# Altium PCB ProbadorManillaresCrio.PcbDoc (part 2 of 2)
Units mil, origin at the board's own origin, x right, y up, seen from the top; angles counter-clockwise.
Board outline 4000 x 4000 mil, 2 copper layers (Top Layer, Bottom Layer), stack 62.192 mil thick; 144 components, 133 nets, 504 pads, 204 vias.
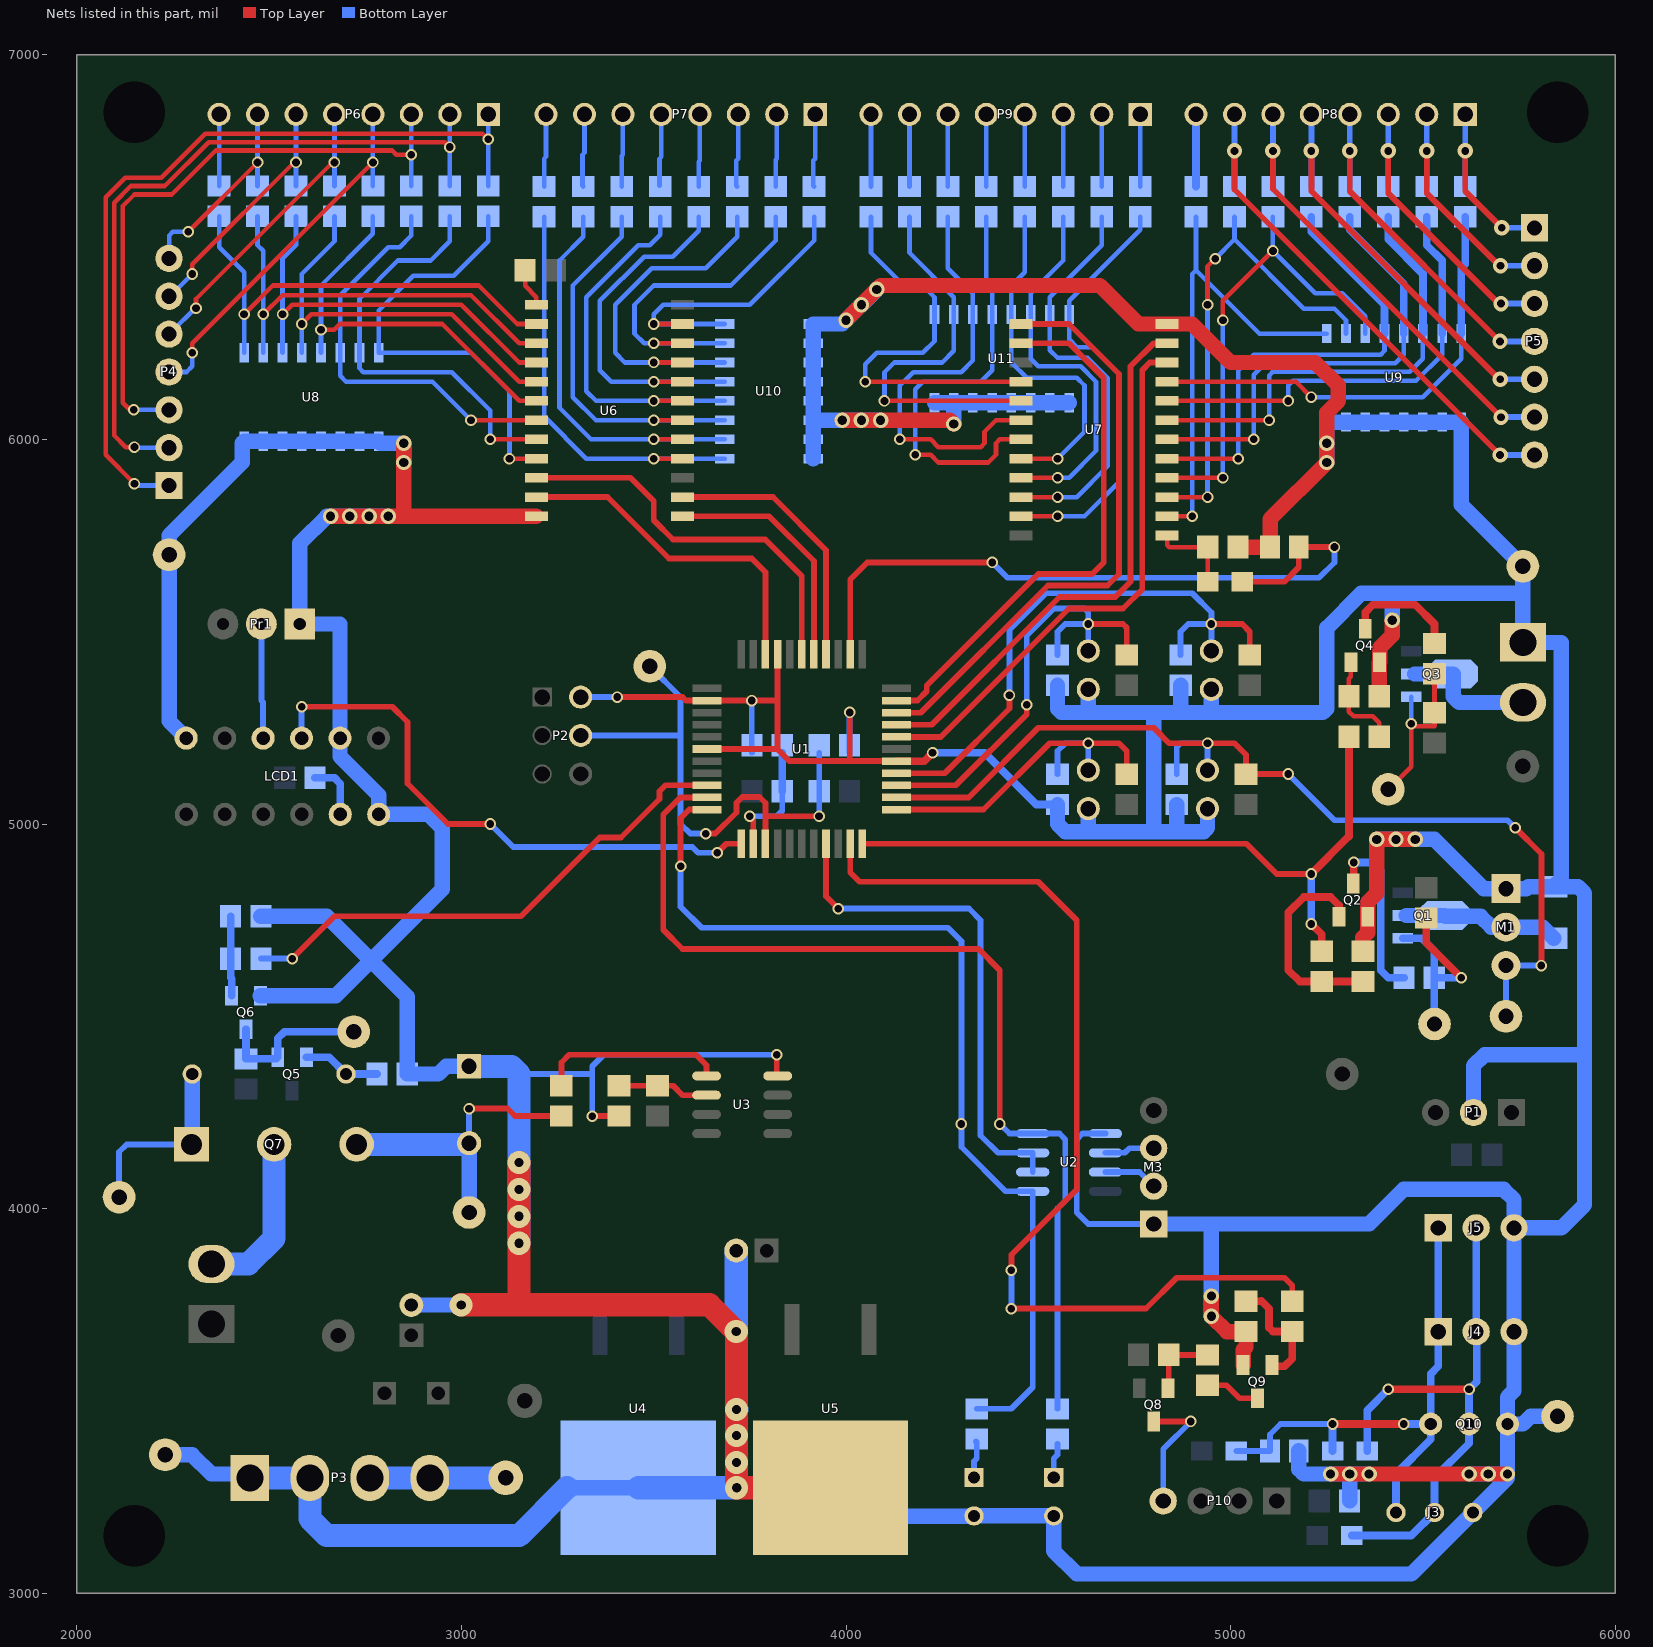
[diagram p2: the nets of this part, all layers, seen from the top]

## Via types
v1: diameter 30, hole 20, Top Layer to Bottom Layer, 139 vias
v2: diameter 40, hole 24, Top Layer to Bottom Layer, 41 vias
v3: diameter 40, hole 20, Top Layer to Bottom Layer, 14 vias
v4: diameter 60, hole 24, Top Layer to Bottom Layer, 10 vias

## Nets (pads, with @x,y where several pads share a name; then routed paths per layer and width w, separated by ;. In a path a pad name is that pad's centre, name@x,y a point inside that pad or via, vN(x,y) a via of type N, cw(c..) or ccw(c..) an arc to the next point about the centre after c; other vN are vias at no path point) (continued)
GND: C1.1 C2.1 C3.2 C4.2 C5.1 C6.1 C7.1 C8.1 C9.1 C10.2 D1.1 DL1.2 DL2.2 J3.1 J4.3 J5.3 LCD1.1 LCD1.5 LCD1.16 M1.1 M2.1 M3.1 P1.2 P2.2 P3.1 P3.2 Pr1.1 Pul1.2 Pul2.2 Pul3.2 Pul4.2 Q2.2 Q4.2 Q6.2 Q9.2 Q10.1 R9.1 R14.1 R19.2 R21.2 R22.1 R24.2 R33.2 R68.2 R69.1 TP10.1 TP11.1 TP12.1 TP13.1 U1.16 U1.30 U1.35 U1.39 U2.5 U3.4 U4.2 U5.2 U6.GND U7.GND U8.A1 U8.A2 U8.A3 U8.A4 U8.A5 U8.A6 U8.A7 U8.A8 U9.A1 U9.A2 U9.A3 U9.A4 U9.A5 U9.A6 U9.A7 U9.A8 U10.A1 U10.A2 U10.A3 U10.A4 U10.A5 U10.A6 U10.A7 U10.A8 U11.A1 U11.A2 U11.A3 U11.A4 U11.A5 U11.A6 U11.A7 U11.A8 | length 29223.9
  Top Layer w15: v1(3340,4240) 3350,4240 3350.63,4240.63 R19.2@3410,4240.63 ; v1(3405,5330) 3575,5330 3584.02,5320.98 U1.35@3638.94,5320.98 v1(3755,5320.98) 3820.98,5320.98 ; U1.39@3638.94,5195 3822.01,5195 U1.30@3822.01,5441.06 ; v1(3820,4400) 3820,4347.52 U3.4@3822.52,4345 ; 3820.98,5195 3852.48,5163.5 4010,5163.5 ; v1(4010,5290) 4010,5163.5 ; U1.16@4131.06,5163.5 4010,5163.5
  Top Layer w20: U1.16@4131.06,5163.5 4203.5,5163.5 v1(4225,5185)
  Top Layer w40: v2(2660,5800) 2850,5800 ; v2(2850,5990) 2850,5800 ; v4(2999.37,3749.37) v4@3000,3750 ; U6.GND@3195,5800 2850,5800 ; v2(3990,6050) 4270,6050 v2(4280,6040) ; v2(4000,6310) 4090,6400 4660,6400 4760,6300 U7.GND@4835,6300 4900,6300 5000,6200 5220,6200 5280,6140 5280,6100 5250,6070 v2(5250,5990) v2(5250,5940) 5102.6,5792.6 C10.2@5102.6,5720 R24.2@5019.37,5720 ; v2(4950,3772.5) v2(4950,3720) 4990,3680 5039.37,3680 R68.2@5040,3680.63 5040,3640 5032.6,3632.6 Q9.2@5032.6,3593.31 ; v2(5260,3310) v2(5310,3310) v2(5360,3310) v2(5620,3310) v2(5670,3310) v2(5720,3310) ; R9.1@5344,4669.37 5344,4705 5356.4,4717.4 Q2.2@5356.4,4758.69 5356.4,4796.4 5380,4820 v2(5380,4960) v2(5480,4960) ; R14.1@5386.37,5332 5386.37,5419.66 Q4.2@5387.4,5420.69 5387.4,5457.4 5420,5490 v2(5420,5530)
  Top Layer w60: v4@3000,3750 3150,3750 ; v4(3150,4120) 3150,3750 ; v4(3715,3340) v4@3715,3275 ; U5.2@3960,3274.29 v4(3715.71,3274.29) v4@3715,3275 ; 3150,3750 3645,3750 v4(3714.63,3680.37) 3715,3680 v4(3715,3477.5) v4(3715,3410) v4@3715,3275
  Bottom Layer w15: 3150,4350 3340,4350 ; P2.2@3310,5330 v1(3405,5330) ; v1(3340,4240) 3340,4350 ; v1(3755,5320.98) 3755,5185.63 C1.1@3755.63,5185 ; v1(3820,4400) 3370,4400 3340,4370 3340,4350 ; C2.1@4009.37,5185 4009.37,5289.37 v1(4010,5290) ; U2.5@4674.49,4195 4615,4195 4600,4180 4600,3990 4630,3960 M3.1@4800,3960
  Bottom Layer w20: v1(4225,5185) 4360,5185 4494.37,5050.63 C6.1@4550,5050.63
  Bottom Layer w40: TP13.1@2230,3360 2300,3360 2350,3310 2440,3310 P3.1@2450,3300 ; LCD1.1@2284.47,5223.35 2240,5267.82 TP12.1@2240,5700 2240,5750 2430,5940 2430,5990 U8.A8@2435,5995 U8.A7@2485,5995 U8.A6@2535,5995 U8.A5@2585,5995 U8.A4@2635,5995 U8.A3@2685,5995 U8.A2@2735,5995 U8.A1@2785,5995 2790,5990 v2(2850,5990) v2(2850,5940) ; Q6.2@2477.4,4553.31 2673.31,4553.31 2950,4830 2950,4990 2915,5025 LCD1.16@2785,5025 2785,5075 2684.47,5175.53 LCD1.5@2684.47,5223.35 2684.47,5520 Pr1.1@2580,5520 2580,5730 2650,5800 v2(2810,5800) ; R69.1@2478.74,4760 2650,4760 2859.37,4550.63 R21.2@2859.37,4350 2940,4350 2960,4370 R22.1@3020,4370 ; C3.2@2870,3749.37 v4(2999.37,3749.37) ; U4.2@3274.29,3274.29 U4.2@3460,3274.29 ; v4(3715.71,3274.29) 3935.71,3274.29 4010,3200 DL2.2@4333,3200 ; U10.A8@3915,5950 U10.A7@3915,6000 U10.A6@3915,6050 ; v2(4080,6390) 3990,6300 U10.A1@3915,6300 U10.A2@3915,6250 U10.A3@3915,6200 U10.A4@3915,6150 U10.A5@3915,6100 U10.A6@3915,6050 ; v2(4090,6050) U10.A6@3915,6050 ; U11.A8@4230,6095 U11.A7@4280,6095 ; v2(4280,6040) U11.A7@4280,6095 ; DL2.2@4333,3201 DL1.2@4540,3201 4540,3110 4600,3050 5470,3050 J3.1@5630,3210 5720,3300 v2(5720,3310) ; C6.1@4550,5050.63 4550,5000 4570,4980 4630,4980 ; C5.1@4550,5360.63 4550,5300 4560,5290 4630,5290 ; U11.A1@4580,6095 U11.A2@4530,6095 U11.A3@4480,6095 U11.A4@4430,6095 U11.A5@4380,6095 U11.A6@4330,6095 U11.A7@4280,6095 ; Pul2.2@4630,5040 4630,4980 ; Pul1.2@4630,5350 4630,5290 ; M3.1@4800,3960 4950,3960 ; C8.1@4860,5050.63 4860,4980 ; C7.1@4870,5360.63 4870,5290 ; Pul4.2@4940,5040 4940,4990 4930,4980 4860,4980 ; v2(4950,3720) 4950,3960 ; Pul3.2@4950,5350 4950,5290 ; C9.1@5177.4,3370 5177.4,3322.6 5190,3310 v2(5310,3310) ; v2(5250,5940) U9.A8@5250,6045 U9.A7@5300,6045 U9.A6@5350,6045 U9.A5@5400,6045 U9.A4@5450,6045 U9.A3@5500,6045 U9.A2@5550,6045 U9.A1@5600,6045 5600,5830 TP11.1@5760,5670 M2.1@5760,5472 5860,5472 5860,4856.93 D1.1@5840,4836.93 ; R33.2@5309.37,3240 5309.37,3309.37 v2(5310,3310) ; v2(5360,3310) v2(5310,3310) ; v2(5380,4960) 5530,4960 5658,4832 M1.1@5716,4832 5769,4832 5773.93,4836.93 D1.1@5840,4836.93 ; v2(5420,5530) 5420,5600 ; v2(5620,3310) v2(5720,3310) ; P1.2@5631.57,4250 5631.57,4371.57 5660,4400 5920,4400 ; 5750,5600 5340,5600 5250,5510 5250,5300 5240,5290 4950,5290 ; TP10.1@5850,3460 5780,3460 5760,3440 Q10.1@5720,3440 ; 4630,4980 4800,4980 ; 4630,5290 4800,5290 ; 4800,4980 4800,5290 ; 4800,4980 4860,4980 ; 4800,5290 4870,5290 ; 4870,5290 4950,5290 ; 4950,3960 5360,3960 5450,4050 5710,4050 5736.85,4023.15 J5.3@5736.85,3950 ; v2(5720,3310) Q10.1@5720,3440 ; Q10.1@5720,3440 5720,3510 5736.85,3526.85 J4.3@5736.85,3680 J5.3@5736.85,3950 ; J5.3@5736.85,3950 5860,3950 5920,4010 5920,4820 5903.07,4836.93 D1.1@5840,4836.93
  Bottom Layer w60: P3.1@2450,3300 P3.2@2606,3300 2606,3194 2650,3150 3150,3150 U4.2@3274.29,3274.29 ; R22.1@3020,4370 3130,4370 3150,4350 v4(3150,3910) ; U4.2@3460,3274.29 v4(3715.71,3274.29) 3715.71,3477.21 v4@3716,3477.5 ; v4(3714.63,3680.37) C4.2@3714.63,3891
  other v2: 5430,4960 2710,5800 2760,5800 4040,6050 4040,6350
  other v4: 3150,3980 3150,4050
HABILITAR_BOMBA_COOLER: R7.2 R13.2 U1.11 | length 1809.5
  Top Layer w15: U1.11@4042.48,4948.94 5041.06,4948.94 5120,4870 v1(5210,4870)
  Top Layer w20: v1(5210,4740) 5237,4713 R7.2@5237,4669.37 ; v1(5210,4870) 5307.63,4967.63 R13.2@5307.63,5227
  Bottom Layer w20: v1(5210,4740) v1(5210,4870)
HABILITAR_LEDS_MANILLAR: R27.2 U1.10 | length 2607.8
  Top Layer w15: U1.10@4010.98,4948.94 4010.98,4874.02 4035,4850 4500,4850 4600,4750 4600,4050 4430,3880 v1(4430,3840) ; v1(4430,3740) 4780,3740 4860,3820 5140,3820 5160,3800 R27.2@5160,3759.37
  Bottom Layer w15: v1(4430,3740) v1(4430,3840)
HABILITAR_PELTIER: R18.2 U1.42 | length 1358.5
  Top Layer w15: v1(2560,4650) 2670,4760 3155,4760 3360,4965 3415,4965 3515,5065 3515,5085 3530.51,5100.51 U1.42@3638.94,5100.51
  Bottom Layer w15: R18.2@2478.74,4650 v1(2560,4650)
NetC1_2: C1.2 R5.2 U1.2 | length 315.7
  Top Layer w15: v1(3750,5020) 3759.02,5010.98 U1.2@3759.02,4948.94
  Bottom Layer w15: v1(3750,5020) 3820,5020 3834.37,5034.37 R5.2@3834.37,5085
  Bottom Layer w20: R5.2@3834.37,5085 C1.2@3834.37,5185
NetC2_2: C2.2 P2.4 R11.2 TP6.1 U1.3 | length 1408.9
  Top Layer w15: v1(3635,4975) 3660,4975 3715,5030 3715,5055 3730,5070 3775,5070 3790.51,5054.49 U1.3@3790.51,4948.94 ; 3790.51,5020 v1(3930,5020)
  Bottom Layer w15: P2.4@3310,5230 3570,5230 ; TP6.1@3490,5410 3570,5330 3570,5230 ; v1(3635,4975) 3595,4975 3570,5000 3570,5230 ; v1(3930,5020) 3925,5025 3930.63,5030.63 R11.2@3930.63,5085 C2.2@3930.63,5185
NetC9_2: C9.2 J3.3 J4.1 J5.1 Q10.3 R30.1 R66.1 | length 1414.5
  Top Layer w20: v1(5265,3440) v1(5450,3440)
  Bottom Layer w15: R30.1@5015,3370 C9.2@5102.6,3370 5102.6,3412.6 5130,3440 v1(5265,3440)
  Bottom Layer w20: R66.1@5265,3370 v1(5265,3440) ; J3.3@5430,3210 5430,3310 5520,3400 Q10.3@5520,3440 ; v1(5450,3440) Q10.3@5520,3440 ; J5.1@5540,3950 J4.1@5540,3680 5540,3590 5520,3570 Q10.3@5520,3440
NetD1_2: D1.2 M1.2 Q1.0 Q1.2 | length 408.2
  Bottom Layer w40: Q1.2@5456.23,4762 Q1.0@5556.63,4762 ; Q1.0@5556.63,4762 5558.63,4760 5650,4760 5678,4732 M1.2@5716,4732 5811.07,4732 D1.2@5840,4703.07
NetDL1_1: DL1.1 R1.1 | length 91.8
  Bottom Layer w15: DL1.1@4540,3301 4540,3350 4550,3360 R1.1@4550,3388.63
NetDL2_1: DL2.1 R4.1 | length 97.4
  Bottom Layer w15: DL2.1@4333,3301 4333,3343 4340,3350 4340,3392.63 R4.1@4338,3394.63
NetJ3_2: J3.2 J4.2 J5.2 Q10.2 R66.2 R67.2 | length 1418.9
  Top Layer w20: v1(5410,3530) v1(5620,3530)
  Bottom Layer w20: R67.2@5315,3150 5470,3150 J3.2@5530,3210 5530,3300 5620,3390 Q10.2@5620,3440 v1(5620,3530) 5640,3550 5640,3678.43 J4.2@5638.43,3680 J5.2@5638.43,3950 ; R66.2@5355,3370 5355,3475 v1(5410,3530)
NetLCD1_3: LCD1.3 Pr1.2 | length 298.5
  Bottom Layer w15: Pr1.2@2480,5520 2480,5321 2484.47,5316.53 LCD1.3@2484.47,5223.35
NetLCD1_15: LCD1.15 R8.2 | length 151.8
  Bottom Layer w20: R8.2@2619.37,5120 2670,5120 2685,5105 LCD1.15@2685,5025
NetM2_2: M2.2 Q3.0 Q3.2 | length 346.8
  Bottom Layer w40: Q3.2@5478.23,5390 Q3.0@5578.63,5390 ; Q3.0@5578.63,5390 5578.63,5331.37 5594,5316 M2.2@5760,5316
NetM3_2: M3.2 U2.7 | length 140.7
  Bottom Layer w15: U2.7@4674.49,4095 4763.43,4095 M3.2@4800,4058.43
NetM3_3: M3.3 U2.6 | length 130.4
  Bottom Layer w15: U2.6@4674.49,4145 4725,4145 4736.85,4156.85 M3.3@4800,4156.85
NetM4_2: M4.2 Q7.2 | length 434.8
  Bottom Layer w60: M4.2@2350,3856 2446,3856 2513,3923 Q7.2@2513,4167
NetP3_3: P3.3 P3.4 Polyswitch.2 | length 353
  Bottom Layer w60: P3.3@2762,3300 P3.4@2918,3300 Polyswitch.2@3115,3300
NetQ1_1: Q1.1 R2.2 R6.2 TP2.1 | length 550
  Top Layer w20: R2.2@5509,4755.63 5509,4691 v1(5600,4600)
  Bottom Layer w20: Q1.1@5447.37,4702.94 5497.06,4702.94 5529.37,4670.63 R6.2@5529.37,4600 ; TP2.1@5529.37,4480 R6.2@5529.37,4600 ; v1(5600,4600) R6.2@5529.37,4600
NetQ2_1: Q2.1 R7.1 R9.2 | length 543
  Top Layer w20: Q2.1@5281.6,4758.69 5281.6,4788.4 5260,4810 5190,4810 5150,4770 5150,4620 5179.37,4590.63 R7.1@5237,4590.63 R9.2@5344,4590.63
NetQ2_3: Q2.3 R6.1 | length 462.3
  Top Layer w20: Q2.3@5319,4845.31 5320,4846.31 v1(5320,4900)
  Bottom Layer w20: v1(5320,4900) 5370,4900 5390,4880 5390,4620 5410,4600 R6.1@5450.63,4600
NetQ3_1: Q3.1 R10.2 R12.1 TP5.1 | length 469.4
  Top Layer w12: TP5.1@5410,5090 5469.37,5149.37 v1(5469.37,5260.63) 5475.81,5254.19 5530,5254.19 R10.2@5530,5289.37 5530,5380.63 R12.1@5540,5390.63
  Bottom Layer w12: v1(5469.37,5260.63) Q3.1@5469.37,5330.94
NetQ4_1: Q4.1 R13.1 R14.2 | length 257.7
  Top Layer w12: Q4.1@5312.6,5420.69 5312.6,5382.6 5307.63,5377.63 R14.2@5307.63,5332 5307.63,5292.37 5320,5280 5370,5280 5386.37,5263.63 R13.1@5386.37,5227
NetQ4_3: Q4.3 R12.2 | length 306.5
  Top Layer w20: Q4.3@5350,5507.31 5350,5550 5370,5570 5480,5570 5530,5520 5530,5479.37 R12.2@5540,5469.37
NetQ5_1: Q5.1 Q6.3 R15.2 TP7.1 | length 427.9
  Bottom Layer w20: Q6.3@2440,4466.69 R15.2@2440,4389.37 2518.66,4389.37 Q5.1@2522.6,4393.31 2522.6,4442.6 2540,4460 2690,4460 TP7.1@2720,4490
NetQ5_2: Q5.2 R17.2 R21.1 | length 201.2
  Bottom Layer w20: Q5.2@2597.4,4393.31 2656.69,4393.31 R17.2@2700,4350 R21.1@2780.63,4350
NetQ6_1: Q6.1 R18.1 R69.2 | length 207.8
  Bottom Layer w20: R69.2@2400,4760 R18.1@2400,4650 2400,4600 2402.6,4597.4 Q6.1@2402.6,4553.31
NetQ7_1: Q7.1 R17.1 TP8.1 | length 497.4
  Bottom Layer w15: TP8.1@2110,4030 2110,4147 2130,4167 Q7.1@2298.43,4167
  Bottom Layer w40: Q7.1@2298.43,4167 2300,4168.57 R17.1@2300,4350
NetQ8_1: Q8.1 R25.2 R26.1 | length 188.4
  Top Layer w15: Q8.1@4837.4,3533.31 4839.37,3535.28 R25.2@4839.37,3620 4840,3619.37 R26.1@4940,3619.37
NetQ9_1: Q9.1 R27.1 R68.1 | length 315.3
  Top Layer w20: R68.1@5040,3759.37 5079.37,3759.37 5080,3760 5100,3740 5100,3690 5109.37,3680.63 R27.1@5160,3680.63 5160,3610 5140,3590 5110.71,3590 Q9.1@5107.4,3593.31
NetQ9_3: Q9.3 R26.2 | length 144.1
  Top Layer w15: R26.2@4940,3540.63 4989.37,3540.63 5023.31,3506.69 Q9.3@5070,3506.69
NetR16_2: R16.2 U3.5 | length 485.3
  Top Layer w15: R16.2@3260,4319.37 3260,4380 3280,4400 3610,4400 3637.48,4372.52 U3.5@3637.48,4345
NetR19_1: R19.1 R20.1 U3.6 | length 237.6
  Top Layer w15: R19.1@3410,4319.37 R20.1@3510,4319.37 3550.63,4319.37 3575,4295 U3.6@3637.48,4295
NetR23_2: R23.2 U6.In-Out | length 102.2
  Top Layer w12: R23.2@3165.63,6440 3165.63,6399.37 3195,6370 U6.In-Out@3195,6350
NetR24_1: R24.1 R70.1 U7.In-Out | length 223
  Top Layer w12: U7.In-Out@4835,5750 4835,5725 4840,5720 R24.1@4940.63,5720 4940.63,5630.63 R70.1@4940,5630
PERNOS_CONTINUIDAD: C10.1 R70.2 U1.24 | length 1853.4
  Top Layer w15: U1.24@4010.98,5441.06 4010.98,5635.98 4055,5680 v1(4380,5680) ; R70.2@5030,5630 5140,5630 5177.4,5667.4 C10.1@5177.4,5720 v1(5270,5720)
  Bottom Layer w15: v1(4380,5680) 4420,5640 5230,5640 5270,5680 v1(5270,5720)
PIN_1_PERNOS: R49.2 U7.I0 U9.K1 | length 1195.8
  Top Layer w12: U7.I0@4835,6150 5170,6150 v1(5210,6110)
  Bottom Layer w12: v1(5210,6110) 5500,6110 5600,6210 U9.K1@5600,6275
  Bottom Layer w20: U9.K1@5600,6275 5600,6445 5610,6455 R49.2@5610,6578.63
PIN_1_PERNOS_ENTRADA: P5.1 P8.1 R49.1 | length 512
  Top Layer w15: v3(5610,6750) 5610,6645 v3(5705,6550)
  Bottom Layer w15: R49.1@5610,6657.37 v3(5610,6750) P8.1@5610,6845 ; v3(5705,6550) P5.1@5790,6550
PIN_1_PLACA: R34.2 U6.I0 U8.K1 | length 1161
  Top Layer w12: v1(3125,5950) U6.I0@3195,5950
  Bottom Layer w12: R34.2@3070,6580 3070,6515 2980,6425 2875,6425 2785,6335 U8.K1@2785,6225 3025,6225 3125,6125 v1(3125,5950)
PIN_1_PLACA_ENTRADA: P4.1 P6.1 R34.1 | length 2124
  Top Layer w12: v1(2150,5885) 2075,5960 2075,6630 2125.68,6680.68 2220.13,6680.68 2334.45,6795 3055,6795 v1(3070,6780)
  Bottom Layer w12: v1(2150,5885) 2155,5880 P4.1@2240,5880 ; R34.1@3070,6658.74 v1(3070,6780) P6.1@3070,6845
PIN_2_PERNOS: R47.2 U7.I1 U9.K2 | length 1163.3
  Top Layer w12: U7.I1@4835,6100 v1(5150,6100)
  Bottom Layer w12: v1(5150,6100) 5150,6140 5162,6152 5482,6152 5550,6220 U9.K2@5550,6275
  Bottom Layer w20: R47.2@5510,6578.63 5510,6505 5550,6465 U9.K2@5550,6275
PIN_2_PERNOS_ENTRADA: P5.2 P8.2 R47.1 | length 657
  Top Layer w15: v3(5510,6750) 5510,6640 5700,6450 v3(5701.57,6451.57)
  Bottom Layer w15: R47.1@5510,6657.37 v3(5510,6750) P8.2@5510,6845 ; v3(5701.57,6451.57) P5.2@5790,6451.57
PIN_2_PLACA: R36.2 U6.I1 U8.K2 | length 1122.7
  Top Layer w12: v1(3075,6000) U6.I1@3195,6000
  Bottom Layer w12: R36.2@2970,6580 2970,6515 2920,6465 2835,6465 2735,6365 U8.K2@2735,6225 2735,6185 2745,6175 2975,6175 3075,6075 v1(3075,6000)
PIN_2_PLACA_ENTRADA: P4.2 P6.2 R36.1 | length 1891.6
  Top Layer w12: v1(2150,5980) 2127,5980 2097,6010 2097,6615.68 2140,6658.68 2229.25,6658.68 2343.56,6773 2957,6773 v1(2970,6760)
  Bottom Layer w12: v1(2150,5980) 2151.57,5978.43 P4.2@2240,5978.43 ; R36.1@2970,6658.74 v1(2970,6760) P6.2@2970,6845
PIN_3_PERNOS: R45.2 U7.I2 U9.K3 | length 1205.1
  Top Layer w12: U7.I2@4835,6050 v1(5100,6050)
  Bottom Layer w12: v1(5100,6050) 5100,6166 5110,6176 5466,6176 5500,6210 U9.K3@5500,6275
  Bottom Layer w20: R45.2@5410,6578.63 5410,6520 5500,6430 U9.K3@5500,6275
PIN_3_PERNOS_ENTRADA: P5.3 P8.3 R45.1 | length 799.1
  Top Layer w15: v3(5410,6750) 5410,6640 5700,6350 v3(5703.15,6353.15)
  Bottom Layer w15: R45.1@5410,6657.37 v3(5410,6750) P8.3@5410,6845 ; v3(5703.15,6353.15) P5.3@5790,6353.15
PIN_3_PLACA: R38.2 U6.I2 U8.K3 | length 1066.8
  Top Layer w12: v1(3025,6050) U6.I2@3195,6050
  Bottom Layer w12: R38.2@2870,6580 2870,6530 2840,6500 2810,6500 2685,6375 U8.K3@2685,6225 2685,6165 2700,6150 2925,6150 v1(3025,6050)
PIN_3_PLACA_ENTRADA: P4.3 P6.3 R38.1 | length 1639.8
  Top Layer w12: v1(2148.15,6076.85) 2138.15,6076.85 2120,6095 2120,6606.68 2150,6636.68 2246.68,6636.68 2361,6751 2820,6751 2831,6740 v1(2870,6740)
  Bottom Layer w12: v1(2148.15,6076.85) P4.3@2240,6076.85 ; R38.1@2870,6658.74 v1(2870,6740) P6.3@2870,6845
PIN_4_PERNOS: R43.2 U7.I3 U9.K4 | length 1221.2
  Top Layer w12: U7.I3@4835,6000 v1(5060,6000)
  Bottom Layer w12: v1(5060,6000) 5060,6168 5090,6198 5428,6198 5450,6220 U9.K4@5450,6275
  Bottom Layer w20: R43.2@5310,6578.63 5310,6545 5450,6405 U9.K4@5450,6275
PIN_4_PERNOS_ENTRADA: P5.4 P8.4 R43.1 | length 934.3
  Top Layer w15: v3(5310,6750) 5310,6645 v3(5700.28,6254.72)
  Bottom Layer w15: R43.1@5310,6657.37 v3(5310,6750) P8.4@5310,6845 ; v3(5700.28,6254.72) P5.4@5790,6254.72
PIN_4_PLACA: R40.2 U6.I3 U8.K4 | length 1060
  Top Layer w12: v1(2635,6285) 2669,6285 2684,6300 2950,6300 3150,6100 U6.I3@3195,6100
  Bottom Layer w12: U8.K4@2635,6225 2635,6400 2770,6535 R40.2@2770,6580
PIN_4_PLACA_ENTRADA: P4.4 P6.4 R40.1 | length 977
  Top Layer w12: v1(2300,6225) 2300,6250 v1(2770,6720)
  Bottom Layer w12: P4.4@2240,6175.28 2285.28,6175.28 2300,6190 v1(2300,6225) ; R40.1@2770,6658.74 v1(2770,6720) P6.4@2770,6845
PIN_5_PERNOS: R41.2 U7.I4 U9.K5 | length 1243
  Top Layer w12: U7.I4@4835,5950 v1(5020,5950)
  Bottom Layer w12: v1(5020,5950) 5020,6180 5060,6220 5390,6220 5400,6230 U9.K5@5400,6275
  Bottom Layer w20: R41.2@5210,6578.63 5210,6540 5400,6350 U9.K5@5400,6275
PIN_5_PERNOS_ENTRADA: P5.5 P8.5 R41.1 | length 1076.1
  Top Layer w15: v3(5210,6750) 5210,6645 5700,6155 v3(5701.3,6156.3)
  Bottom Layer w15: R41.1@5210,6657.37 v3(5210,6750) P8.5@5210,6845 ; v3(5701.3,6156.3) P5.5@5790,6156.3
PIN_5_PLACA: R42.2 U6.I4 U8.K5 | length 1083.1
  Top Layer w12: v1(2585,6300) 2610,6325 2975,6325 3150,6150 U6.I4@3195,6150
  Bottom Layer w12: U8.K5@2585,6225 v1(2585,6300) 2585,6430 2670,6515 R42.2@2670,6580
PIN_5_PLACA_ENTRADA: P4.5 P6.5 R42.1 | length 835
  Top Layer w12: v1(2310,6341.25) 2310,6365 2670,6725 v1(2670,6720)
  Bottom Layer w12: P4.5@2225,6278.7 2245,6278.7 2307.55,6341.25 v1(2310,6341.25) ; R42.1@2670,6658.74 v1(2670,6720) P6.5@2670,6845
PIN_6_PERNOS: R39.2 U7.I5 U9.K6 | length 1232.9
  Top Layer w12: U7.I5@4835,5900 v1(4980,5900) ; v1(4980,6310) 4980,6360 v1(5110,6490)
  Bottom Layer w12: v1(4980,5900) v1(4980,6310) ; R39.2@5110,6578.63 v1(5110,6490) 5220,6380 5290,6380 5350,6320 U9.K6@5350,6275
PIN_6_PERNOS_ENTRADA: P5.6 P8.6 R39.1 | length 1212.5
  Top Layer w15: v3(5110,6750) 5110,6650.75 v3(5702.87,6057.87)
  Bottom Layer w15: R39.1@5110,6657.37 v3(5110,6750) P8.6@5110,6845 ; v3(5702.87,6057.87) P5.6@5790,6057.87
PIN_6_PLACA: R44.2 U6.I5 U8.K6 | length 1102
  Top Layer w12: v1(2535,6325) 2560,6350 3000,6350 3150,6200 U6.I5@3195,6200
  Bottom Layer w12: U8.K6@2535,6225 v1(2535,6325) 2535,6470 2570,6505 R44.2@2570,6580
PIN_6_PLACA_ENTRADA: P4.6 P6.6 R44.1 | length 696.8
  Top Layer w12: v1(2300,6430) 2300,6455 2570,6725 v1(2570,6720)
  Bottom Layer w12: P4.6@2225,6377.13 2227.13,6375 2245,6375 v1(2300,6430) ; R44.1@2570,6658.74 v1(2570,6720) P6.6@2570,6845
PIN_7_PERNOS: R37.2 U7.I6 U9.K7 | length 1274.6
  Top Layer w12: U7.I6@4835,5850 v1(4940,5850) ; v1(4940,6350) 4940,6450 v1(4960,6470)
  Bottom Layer w12: v1(4940,5850) v1(4940,6350) ; v1(4960,6470) 5010,6520 ; R37.2@5010,6578.63 5010,6520 ; U9.K7@5300,6275 5300,6310 5270,6340 5190,6340 5010,6520
PIN_7_PERNOS_ENTRADA: P5.7 P8.7 R37.1 | length 1353.7
  Top Layer w15: v3(5010,6750) 5010,6650 v3(5700.55,5959.45)
  Bottom Layer w15: R37.1@5010,6657.37 v3(5010,6750) P8.7@5010,6845 ; v3(5700.55,5959.45) P5.7@5790,5959.45
PIN_7_PLACA: R46.2 U6.I6 U8.K7 | length 1143.7
  Top Layer w12: v1(2485,6325) 2535,6375 3025,6375 3150,6250 U6.I6@3195,6250
  Bottom Layer w12: R46.2@2470,6580 2470,6505 2485,6490 v1(2485,6325) U8.K7@2485,6225
PIN_7_PLACA_ENTRADA: P4.7 P6.7 R46.1 | length 555.6
  Top Layer w12: v1(2290,6540) v1(2470,6720)
  Bottom Layer w12: P4.7@2225,6475.55 2240,6490.55 2240,6530 2250,6540 v1(2290,6540) ; R46.1@2470,6658.74 v1(2470,6720) P6.7@2470,6845
PIN_8_PERNOS: R35.2 U7.I7 U9.K8 | length 1326.1
  Top Layer w12: U7.I7@4835,5800 v1(4900,5800)
  Bottom Layer w12: v1(4900,5800) 4900,6430 4910,6440 ; 4910,6510 4910,6440 ; R35.2@4910,6578.63 4910,6440 ; U9.K8@5250,6275 5075,6275 4910,6440
PIN_8_PERNOS_ENTRADA: P8.8 R35.1 | length 187.6
  Bottom Layer w20: R35.1@4910,6657.37 P8.8@4910,6845
PIN_8_PLACA: R48.2 U6.I7 U8.K8 | length 1214.4
  Top Layer w12: v1(2435,6325) 2510,6400 3045,6400 3145,6300 U6.I7@3195,6300
  Bottom Layer w12: R48.2@2370,6580 2370,6500 2435,6435 v1(2435,6325) U8.K8@2435,6225
PIN_8_PLACA_ENTRADA: P6.8 R48.1 | length 186.3
  Bottom Layer w12: R48.1@2370,6658.74 P6.8@2370,6845
PIN_9_PERNOS: R65.1 U7.I8 U11.K1 | length 1134.8
  Top Layer w12: U7.I8@4455,5800 v1(4550,5800)
  Bottom Layer w12: v1(4550,5800) 4620,5800 4710,5890 4710,6170 4640,6240 4600,6240 4580,6260 U11.K1@4580,6325 4580,6360 4765,6545 R65.1@4765,6578.63
PIN_9_PERNOS_ENTRADA: P9.1 R65.2 | length 187.6
  Bottom Layer w12: R65.2@4765,6657.37 P9.1@4765,6845
PIN_9_PLACA: R64.1 U6.I8 U10.K1 | length 843.2
  Top Layer w12: v1(3500,6300) U6.I8@3575,6300
  Bottom Layer w12: U10.K1@3685,6300 v1(3500,6300) 3500,6325 3525,6350 3750,6350 3917,6517 R64.1@3917,6578.63
PIN_9_PLACA_ENTRADA: P7.1 R64.2 | length 190.5
  Bottom Layer w12: R64.2@3917,6657.37 3915,6659.37 3915,6725 3920,6730 P7.1@3920,6845
PIN_10_PERNOS: R63.1 U7.I9 U11.K2 | length 1070.5
  Top Layer w12: U7.I9@4455,5850 v1(4550,5850)
  Bottom Layer w12: v1(4550,5850) 4600,5850 4680,5930 4680,6160 4628,6212 4550,6212 4530,6232 U11.K2@4530,6325 4530,6370 4665,6505 R63.1@4665,6578.63
PIN_10_PERNOS_ENTRADA: P9.2 R63.2 | length 187.6
  Bottom Layer w12: R63.2@4665,6657.37 P9.2@4665,6845
PIN_10_PLACA: R62.1 U6.I9 U10.K2 | length 893.2
  Top Layer w12: v1(3500,6250) U6.I9@3575,6250
  Bottom Layer w12: U10.K2@3685,6250 v1(3500,6250) 3475,6250 3450,6275 3450,6350 3500,6400 3700,6400 3817,6517 R62.1@3817,6578.63
PIN_10_PLACA_ENTRADA: P7.2 R62.2 | length 188.9
  Bottom Layer w12: R62.2@3817,6657.37 3817,6727 3820,6730 P7.2@3820,6845
PIN_11_PERNOS: R61.1 U7.I10 U11.K3 | length 1002.7
  Top Layer w12: U7.I10@4455,5900 v1(4550,5900)
  Bottom Layer w12: v1(4550,5900) 4580,5900 4650,5970 4650,6150 4610,6190 4500,6190 4480,6210 U11.K3@4480,6325 4480,6380 4565,6465 R61.1@4565,6578.63
PIN_11_PERNOS_ENTRADA: P9.3 R61.2 | length 187.6
  Bottom Layer w12: R61.2@4565,6657.37 P9.3@4565,6845
PIN_11_PLACA: R60.1 U6.I10 U10.K3 | length 937.3
  Top Layer w12: v1(3500,6200) U6.I10@3575,6200
  Bottom Layer w12: U10.K3@3685,6200 v1(3500,6200) 3425,6200 3400,6225 3400,6350 3495,6445 3635,6445 3717,6527 R60.1@3717,6578.63
PIN_11_PLACA_ENTRADA: P7.3 R60.2 | length 190.5
  Bottom Layer w12: R60.2@3717,6657.37 3715,6659.37 3715,6725 3720,6730 P7.3@3720,6845
PIN_12_PERNOS: R59.1 U7.I11 U11.K4 | length 922
  Top Layer w12: U7.I11@4455,5950 v1(4550,5950)
  Bottom Layer w12: R59.1@4465,6578.63 4465,6435 4430,6400 U11.K4@4430,6325 4430,6200 4470,6160 4600,6160 4620,6140 4620,6020 v1(4550,5950)
PIN_12_PERNOS_ENTRADA: P9.4 R59.2 | length 187.6
  Bottom Layer w12: R59.2@4465,6657.37 P9.4@4465,6845
PIN_12_PLACA: R58.1 U6.I11 U10.K4 | length 961.4
  Top Layer w12: v1(3500,6150) U6.I11@3575,6150
  Bottom Layer w12: R58.1@3617,6578.63 3617,6542 3550,6475 3475,6475 3360,6360 3360,6180 3390,6150 v1(3500,6150) U10.K4@3685,6150
PIN_12_PLACA_ENTRADA: P7.4 R58.2 | length 188.9
  Bottom Layer w12: R58.2@3617,6657.37 3617,6722 3620,6725 P7.4@3620,6845
PIN_13_PERNOS: R57.1 U7.I12 U11.K5 | length 1121.3
  Top Layer w12: v1(4180,5960) 4220,5960 4240,5940 4370,5940 4390,5960 4390,5990 4400,6000 U7.I12@4455,6000
  Bottom Layer w12: v1(4180,5960) 4180,6130 4200,6150 4350,6150 4380,6180 U11.K5@4380,6325 4380,6400 4365,6415 R57.1@4365,6578.63
PIN_13_PERNOS_ENTRADA: P9.5 R57.2 | length 187.6
  Bottom Layer w12: R57.2@4365,6657.37 P9.5@4365,6845
PIN_13_PLACA: R56.1 U6.I12 U10.K5 | length 996.1
  Top Layer w12: v1(3500,6100) U6.I12@3575,6100
  Bottom Layer w12: R56.1@3517,6578.63 3517,6532 3490,6505 3460,6505 3325,6370 3325,6125 3350,6100 v1(3500,6100) U10.K5@3685,6100
PIN_13_PLACA_ENTRADA: P7.5 R56.2 | length 187.7
  Bottom Layer w12: R56.2@3515,6659.37 3515,6730 3520,6735 P7.5@3520,6845
PIN_14_PERNOS: R55.1 U7.I13 U11.K6 | length 1127.3
  Top Layer w12: v1(4140,6000) 4220,6000 4240,5980 4350,5980 4360,5990 4360,6020 4390,6050 U7.I13@4455,6050
  Bottom Layer w12: v1(4140,6000) 4140,6140 4175,6175 4300,6175 4330,6205 U11.K6@4330,6325 4330,6380 4265,6445 R55.1@4265,6578.63
PIN_14_PERNOS_ENTRADA: P9.6 R55.2 | length 187.6
  Bottom Layer w12: R55.2@4265,6657.37 P9.6@4265,6845
PIN_14_PLACA: R54.1 U6.I13 U10.K6 | length 1016.1
  Top Layer w12: v1(3500,6050) U6.I13@3575,6050
  Bottom Layer w12: R54.1@3417,6578.63 3417,6527 3290,6400 3290,6110 3350,6050 v1(3500,6050) U10.K6@3685,6050
PIN_14_PLACA_ENTRADA: P7.6 R54.2 | length 188.9
  Bottom Layer w12: R54.2@3417,6657.37 3417,6737 3420,6740 P7.6@3420,6845
PIN_15_PERNOS: R53.1 U7.I14 U11.K7 | length 1029
  Top Layer w12: v1(4100,6100) U7.I14@4455,6100
  Bottom Layer w12: v1(4100,6100) 4100,6175 4125,6200 4250,6200 4280,6230 U11.K7@4280,6325 4280,6370 4165,6485 R53.1@4165,6578.63
PIN_15_PERNOS_ENTRADA: P9.7 R53.2 | length 187.6
  Bottom Layer w12: R53.2@4165,6657.37 P9.7@4165,6845
PIN_15_PLACA: R52.1 U6.I14 U10.K7 | length 1061.3
  Top Layer w12: v1(3500,6000) U6.I14@3575,6000
  Bottom Layer w12: R52.1@3317,6578.63 3317,6527 3255,6465 3255,6082 3337,6000 v1(3500,6000) U10.K7@3685,6000
PIN_15_PLACA_ENTRADA: P7.7 R52.2 | length 190.5
  Bottom Layer w12: R52.2@3317,6657.37 3315,6659.37 3315,6740 3320,6745 P7.7@3320,6845
PIN_16_PERNOS: R51.1 U7.I15 U11.K8 | length 1076.1
  Top Layer w12: v1(4050,6150) U7.I15@4455,6150
  Bottom Layer w12: v1(4050,6150) 4050,6195 4080,6225 4200,6225 4230,6255 U11.K8@4230,6325 4230,6370 4210,6390 4160,6390 4065,6485 R51.1@4065,6578.63
PIN_16_PERNOS_ENTRADA: P9.8 R51.2 | length 187.6
  Bottom Layer w12: R51.2@4065,6657.37 P9.8@4065,6845
PIN_16_PLACA: R50.1 U6.I15 U10.K8 | length 1109.2
  Top Layer w12: v1(3500,5950) U6.I15@3575,5950
  Bottom Layer w12: R50.1@3215,6578.63 3215,6060 3325,5950 v1(3500,5950) U10.K8@3685,5950
PIN_16_PLACA_ENTRADA: P7.8 R50.2 | length 189.7
  Bottom Layer w12: R50.2@3215,6657.37 3215,6730 3220,6735 P7.8@3220,6845
PTE: U1.8 U2.2 U2.3 | length 1328.8
  Top Layer w15: U1.8@3947.99,4948.94 3947.99,4812.01 v1(3980,4780)
  Bottom Layer w15: v1(3980,4780) 4320,4780 4350,4750 4350,4190 4395,4145 U2.3@4485.51,4145 U2.2@4485.51,4095
PUL_1: C5.2 Pul1.1 R28.2 U1.14 | length 1237.2
  Top Layer w15: U1.14@4131.06,5100.51 4285.51,5100.51 4470,5285 v1(4470,5310) ; v1(4630,5520) 4720,5520 4730,5510 R28.2@4730,5439.37
  Bottom Layer w15: v1(4470,5310) 4470,5490 4540,5560 4620,5560 4630,5550 v1(4630,5520) ; C5.2@4550,5439.37 4550,5500 4570,5520 v1(4630,5520) ; Pul1.1@4630,5450 v1(4630,5520)
PUL_2: C6.2 Pul2.1 R29.2 U1.12 | length 958.2
  Top Layer w15: U1.12@4131.06,5037.52 4357.52,5037.52 4530,5210 v1(4630,5210) 4710,5210 4730,5190 R29.2@4730,5129.37
  Bottom Layer w15: C6.2@4550,5129.37 4550,5190 4570,5210 v1(4630,5210) Pul2.1@4630,5140
PUL_3: C7.2 Pul3.1 R31.2 U1.15 | length 1571.4
  Top Layer w15: U1.15@4131.06,5132.01 4257.01,5132.01 4425,5300 v1(4425,5335) ; v1(4950,5520) 5030,5520 5050,5500 R31.2@5050,5439.37
  Bottom Layer w15: v1(4425,5335) 4425,5505 4520,5600 4900,5600 4950,5550 v1(4950,5520) ; C7.2@4870,5439.37 4870,5500 4890,5520 v1(4950,5520) ; Pul3.1@4950,5450 v1(4950,5520)
PUL_4: C8.2 M1.3 Pul4.1 R32.2 TP1.1 U1.13 | length 2656.7
  Top Layer w15: U1.13@4131.06,5069.02 4319.02,5069.02 4500,5250 4800,5250 4840,5210 v1(4940,5210) 5010,5210 5040,5180 R32.2@5040,5129.37 5040.63,5130 v1(5150,5130) ; v1(5740,4990) 5808,4922 v1(5808,4632)
  Bottom Layer w15: C8.2@4860,5129.37 4860,5200 4870,5210 v1(4940,5210) Pul4.1@4940,5140 ; v1(5150,5130) 5270,5010 5720,5010 v1(5740,4990) ; TP1.1@5716,4500 M1.3@5716,4632 v1(5808,4632)
RS: LCD1.4 U1.1 | length 1485.4
  Top Layer w15: v1(2585,5305) 2820,5305 2860,5265 2860,5105 2965,5000 v1(3075,5000) ; v1(3665,4925) 3688.94,4948.94 U1.1@3727.52,4948.94
  Bottom Layer w15: LCD1.4@2584.47,5223.35 2584.47,5304.47 v1(2585,5305) ; v1(3075,5000) 3135,4940 3600,4940 3615,4925 v1(3665,4925)
RSH_PELTIER: Q7.3 R16.1 R22.3 TP14.1 | length 811.7
  Top Layer w15: v1(3020,4260) 3120,4260 3139.37,4240.63 R16.1@3260,4240.63
  Bottom Layer w15: R22.3@3020,4170 v1(3020,4260)
  Bottom Layer w40: R22.3@3017,4167 R22.3@3020,4170 TP14.1@3020,3990
  Bottom Layer w60: Q7.3@2727.57,4167 R22.3@3017,4167
RX: R4.2 U1.44 U2.1 | length 2521.9
  Top Layer w15: v1(3570,4890) 3570,5015 3592.52,5037.52 U1.44@3638.94,5037.52
  Bottom Layer w15: v1(3570,4890) 3570,4785 3625,4730 4265,4730 4300,4695 v1(4300,4220) 4300,4160 4415,4045 U2.1@4485.51,4045 4485.51,3535.51 4429.37,3479.37 R4.2@4340,3479.37
S0_PERNOS: U1.18 U7.S0 | length 1441.1
  Top Layer w15: U1.18@4131.06,5226.5 4246.5,5226.5 4580,5560 4720,5560 4770,5610 4770,6180 4790,6200 U7.S0@4835,6200
S0_PLACA: U1.28 U6.S0 | length 1028.9
  Top Layer w15: U6.S0@3195,5900 3440,5900 3500,5840 3500,5790 3550,5740 3790,5740 3885,5645 U1.28@3885,5441.06
S1_PERNOS: U1.19 U7.S1 | length 1442.9
  Top Layer w15: U1.19@4131.06,5257.99 4222.99,5257.99 4555,5590 4700,5590 4740,5630 4740,6190 4800,6250 U7.S1@4835,6250
S1_PLACA: U1.31 U6.S1 | length 889.9
  Top Layer w15: U6.S1@3195,5850 3380,5850 3540,5690 3755,5690 3790.51,5654.49 U1.31@3790.51,5441.06
S2_PERNOS: U1.21 U7.S2 | length 1428.7
  Top Layer w15: U1.21@4131.06,5320.98 4185.98,5320.98 4210,5345 4210,5360 4500,5650 4640,5650 4670,5680 4670,6160 4580,6250 U7.S2@4455,6250
S2_PLACA: U1.26 U6.S2 | length 701.1
  Top Layer w15: U6.S2@3575,5850 3810,5850 3947.99,5712.01 U1.26@3947.99,5441.06
S3_PERNOS: U1.20 U7.S3 | length 1557.1
  Top Layer w15: U1.20@4131.06,5289.49 4194.49,5289.49 4525,5620 4680,5620 4710,5650 4710,6170 4580,6300 U7.S3@4455,6300
S3_PLACA: U1.27 U6.S3 | length 632.2
  Top Layer w15: U6.S3@3575,5800 3800,5800 3916.5,5683.5 U1.27@3916.5,5441.06
TX: R1.2 U1.43 U2.4 | length 2646.1
  Top Layer w15: U1.43@3638.94,5069.02 3569.02,5069.02 3525,5025 3525,4725 3575,4675 4345,4675 4400,4620 v1(4400,4220)
  Bottom Layer w15: v1(4400,4220) 4425,4195 U2.4@4485.51,4195 4555,4195 4570,4180 4570,4020 4550,4000 R1.2@4550,3479.37
VCC_LEDS_MANILLAR: P10.4 Q8.3 | length 333.2
  Top Layer w15: Q8.3@4800,3446.69 v1(4896.69,3446.69)
  Bottom Layer w15: P10.4@4824.72,3240 4824.72,3374.72 v1(4896.69,3446.69)
pads on no net: P2.3 P2.5 U1.4 U1.5 U1.6 U3.1 U3.2 U3.3

## Polygon pours and split planes (outlines as drawn)
GND on Top Layer "Top Layer - GND" (solid, remove dead copper, pour order 17): 2000,3000 6000,3000 6000,7000 2000,7000
GND on Bottom Layer "Bottom Layer - GND" (solid, remove dead copper, pour order 20): 2000,3000 6000,3000 6000,7000 2000,7000

## Keep-outs
Keep-Out Layer:
  circle w5: c2150,3150 r150
  circle w5: c5850,3150 r150
  circle w5: c5850,6850 r150
  circle w5: c2150,6850 r150
  lines w5: 2000,3000 2000,7000 6000,7000 6000,3000 2000,3000

## Silkscreen, mask and mechanical layers (free items; w line width, h text height)
Top Overlay:
  text "PROBADOR DE MANILLARES 2.0" at 2070,5540 h50 r270
  text "IMP000031B" at 3560,4540 h50

## Text inside footprints (layer, text, board x,y; h text height)
C3: Top Overlay "+" at 3040,3640 h60 r90
C4: Top Overlay "+" at 3904,4001 h60 r180
P2: Top Overlay "1" at 3210,5410 h35 r90